# Altium PCB SL-CA025-ESP07S_V2.1.PcbDoc (part 2 of 2)
Units mm, origin at the board's own origin, x right, y up, seen from the top; angles counter-clockwise.
Board outline 103.07 x 31.12 mm, 2 copper layers (Top Layer, Bottom Layer); 79 components, 70 nets, 272 pads, 105 vias.
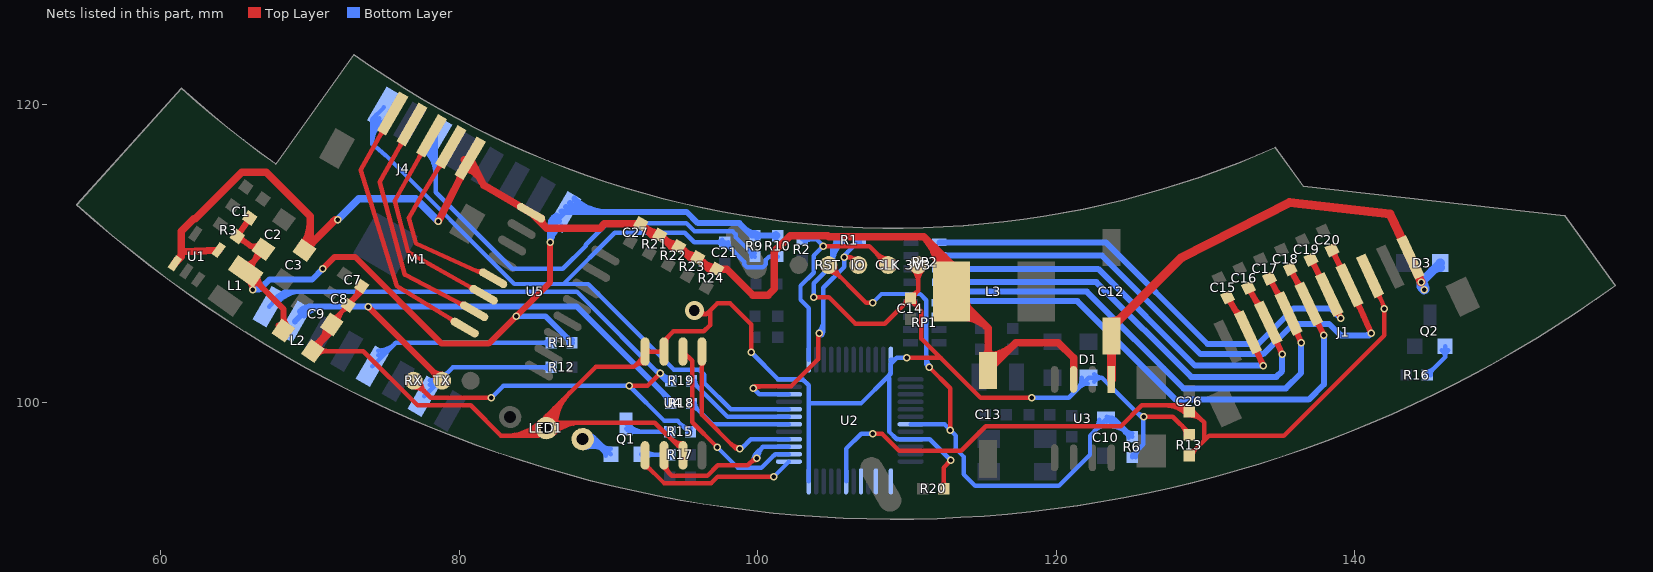
[diagram p2: the nets of this part, all layers, seen from the top]

## Via types
v1: diameter 0.5, hole 0.3, Top Layer to Bottom Layer, 103 vias
v2: diameter 1.27, hole 0.711, Top Layer to Bottom Layer, 2 vias

## Nets (pads, with @x,y where several pads share a name; then routed paths per layer and width w, separated by ;. In a path a pad name is that pad's centre, name@x,y a point inside that pad or via, vN(x,y) a via of type N, cw(c..) or ccw(c..) an arc to the next point about the centre after c; other vN are vias at no path point) (continued)
NetLED1_K2: LED1.K2 Q1.2 | length 12.1
  Bottom Layer w0.3: LED1.K2@88.195,97.843 cw(c88.456,96.968) 89.102,97.613 ; LED1.K2@88.367,97.268 cw(c88.782,95.87) Q1.2@89.814,96.901 ; LED1.K2@88.452,96.98 cw(c88.946,95.321) Q1.2@90.17,96.545 89.16,97.555 LED1.K2@88.281,97.555 cw(c88.619,96.419) 89.458,97.257 ; 89.214,97.247 cw(c88.559,96.113) 89.824,96.452 ccw(c88.989,96.229) 89.421,96.977 ccw(c89.854,97.726) 90.077,96.891 cw(c89.969,97.296) Q1.2@89.759,96.933 ; Q1.2@89.812,96.545 ccw(c88.948,96.545) 89.559,97.156 ccw(c90.17,97.767) Q1.2@90.17,96.903
NetM1_3: M1.3 R9.2 | length 34
  Bottom Layer w0.3: M1.3@77.774,116.844 cw(c76.186,115.255) 78.432,115.255 ; M1.3@77.986,117.056 cw(c76.91,115.98) 78.432,115.98 ; M1.3@78.198,117.268 cw(c77.634,116.704) M1.3@78.432,116.704 ; M1.3@78.432,117.776 78.432,114.1 83.566,108.966 86.955,108.966 88.484,110.495 88.484,110.582 89.916,112.014 95.231,112.014 95.77,111.475 98.316,111.475 98.521,111.27 98.521,111.093 R9.2@99.822,109.791 ; R9.2@99.591,109.791 ccw(c99.033,109.791) 99.428,110.186 ccw(c99.822,110.58) R9.2@99.822,110.023
NetM1_10: M1.10 R12.1 | length 12.2
  Bottom Layer w0.3: M1.10@77.66,100.439 79.583,102.362 R12.1@86.169,102.362 ; M1.10@78.035,101.189 ccw(c78.035,102.093) 78.674,101.453 ; M1.10@78.035,101.489 ccw(c78.035,103.117) 79.186,101.966 ; R12.1@86.006,102.199 ccw(c85.612,101.804) 85.612,102.362 ccw(c85.612,102.92) R12.1@86.006,102.525
NetM1_12: M1.12 R11.1 | length 15.5
  Bottom Layer w0.3: M1.12@74.196,102.439 75.77,104.013 R11.1@86.169,104.013 ; M1.12@74.571,103.189 ccw(c74.571,104.093) 75.21,103.453 ; M1.12@74.571,103.489 ccw(c74.571,105.117) 75.722,103.966 ; R11.1@86.006,103.85 ccw(c85.612,103.455) 85.612,104.013 ccw(c85.612,104.571) R11.1@86.006,104.176
NetQ1_1: Q1.1 R17.1 | length 4.1
  Bottom Layer w0.3: Q1.1@92.202,96.545 92.227,96.52 R17.1@94.107,96.52 ; Q1.1@92.455,96.292 cw(c93.006,95.741) 93.006,96.52 ; Q1.1@92.455,96.798 ccw(c93.127,97.47) 93.127,96.52 ; R17.1@93.944,96.357 ccw(c93.549,95.962) 93.549,96.52 ccw(c93.549,97.078) R17.1@93.944,96.683
NetQ1_3: Q1.3 R15.2 | length 6.5
  Bottom Layer w0.3: Q1.3@91.182,98.256 ccw(c91.693,98.766) 91.693,98.044 ; Q1.3@91.186,98.577 91.719,98.044 ; Q1.3@91.39,98.047 cw(c91.553,97.878) 91.719,98.044 ; Q1.3@91.394,98.468 ccw(c92.417,99.491) 92.417,98.044 ; Q1.3@91.48,98.272 ccw(c91.719,98.283) 91.719,98.044 ; R15.2@93.944,97.881 ccw(c93.549,97.486) 93.549,98.044 ccw(c93.549,98.602) R15.2@93.944,98.207 ; R15.2@94.107,98.044 91.719,98.044
NetQ2_1: Q2.1 R16.2 | length 4.3
  Bottom Layer w0.3: R16.2@144.844,101.854 146.05,103.06 ; R16.2@144.844,102.085 ccw(c144.844,102.643) 145.238,102.248 ccw(c145.632,101.854) R16.2@145.075,101.854 ; Q2.1@145.833,103.499 cw(c145.498,103.061) 146.05,103.061 ; Q2.1@146.05,103.784 146.05,103.06 ; Q2.1@146.267,103.499 ccw(c146.602,103.061) 146.05,103.061
NetR18_2: R18.2 U2.30 | length 8
  Bottom Layer w0.3: R18.2@95.567,99.718 cw(c95.567,99.16) 95.962,99.555 cw(c96.356,99.949) R18.2@95.799,99.949 ; R18.2@95.567,99.949 96.96,98.556 U2.30@102.097,98.556
NetR19_2: R19.2 U2.31 | length 8.4
  Bottom Layer w0.3: R19.2@95.567,101.242 cw(c95.567,100.684) 95.962,101.079 cw(c96.356,101.473) R19.2@95.799,101.473 ; R19.2@95.567,101.473 97.984,99.056 U2.31@102.097,99.056
OUT1: J4.1 U5.16 | length 18.9
  Top Layer w0.3: 74.734,117.927 ccw(c74.276,118.185) J4.1@74.782,118.326 ; 74.763,117.979 cw(c75.147,117.763) J4.1@75.028,118.187 ; J4.1@75.549,119.376 73.406,115.57 75.819,107.823 U5.16@80.378,105.03 ; 79.418,105.618 cw(c79.224,105.302) U5.16@79.585,105.388
OUT2: J4.2 U5.15 | length 17.2
  Top Layer w0.3: 76.033,117.172 ccw(c75.569,117.432) J4.2@76.081,117.576 ; 76.066,117.232 cw(c76.445,117.019) J4.2@76.328,117.437 ; J4.2@76.848,118.626 74.676,114.752 76.357,108.585 U5.15@81.013,106.13 ; 79.997,106.665 ccw(c80.185,107.022) U5.15@80.305,106.637
OUT3: J4.3 U5.14 | length 15.6
  Top Layer w0.3: 77.331,116.434 ccw(c76.882,116.689) J4.3@77.38,116.826 ; 77.355,116.475 cw(c77.746,116.254) J4.3@77.626,116.687 ; J4.3@78.147,117.876 75.692,113.538 76.581,110.109 77.469,109.604 U5.14@81.648,107.23 ; 80.7,107.768 ccw(c80.858,108.046) U5.14@80.943,107.738 ; 80.723,107.755 cw(c80.582,107.509) U5.14@80.856,107.584
OUT4: J4.4 U5.13 | length 14.2
  Top Layer w0.3: 78.593,115.691 cw(c79.052,115.418) J4.4@78.921,115.936 ; 78.63,115.754 ccw(c78.26,115.974) J4.4@78.678,116.081 ; J4.4@79.446,117.126 77.357,113.614 76.632,112.395 77.114,110.663 U5.13@82.283,108.33 ; 81.135,108.848 ccw(c81.368,109.362) U5.13@81.567,108.834
PA2_ADC2: C26.2 J1.8 R13.2 U2.19 | length 57.6
  Top Layer w0.3: v1(107.696,97.917) 108.331,97.917 109.474,96.774 113.635,96.774 115.286,98.425 124.333,98.425 125.73,99.822 128.46,99.822 C26.2@128.905,99.377 129.223,99.377 129.921,98.679 129.921,97.472 ; 127.274,99.822 cw(c127.274,97.747) C26.2@128.742,99.214 ; 127.998,99.822 cw(c127.998,98.471) C26.2@128.954,99.426 ; C26.2@128.674,99.377 ccw(c128.116,99.377) 128.511,99.772 ccw(c128.905,100.166) C26.2@128.905,99.608 ; R13.2@128.905,96.456 129.921,97.472 ; R13.2@128.905,96.687 ccw(c128.905,97.245) 129.299,96.851 ccw(c129.694,96.456) R13.2@129.136,96.456 ; C26.2@128.905,99.146 cw(c128.905,97.822) 129.841,98.759 ; C26.2@128.905,99.446 cw(c128.905,98.847) 129.329,99.271 ; J1.8@141.01,108.497 141.478,107.483 v1@142.018,106.314 ; J1.8@141.427,107.267 cw(c141.265,106.827) 141.69,107.024 ; J1.8@141.684,107.385 ccw(c142.15,107.214) 141.699,107.005 ; 141.881,106.61 cw(c141.553,106.459) v1@141.892,106.334 ; v1(141.986,106.299) 141.986,104.521 135.255,97.79 130.238,97.79 129.921,97.472
  Bottom Layer w0.3: U2.19@105.922,94.731 105.922,96.905 106.934,97.917 v1(107.696,97.917)
PA9_TX: M1.15 R18.1 TX.1 | length 40.1
  Top Layer w0.4: v1(73.914,106.426) TX.1@78.867,101.473 ; TX.1@78.467,101.473 ccw(c77.501,101.473) 78.184,102.156 ccw(c78.867,102.839) TX.1@78.867,101.873
  Bottom Layer w0.4: M1.15@69,105.439 70.002,106.441 87.875,106.441 94.17,100.145 R18.1@94.17,99.949 ; M1.15@69.339,106.124 cw(c70.105,105.359) 70.105,106.441 ; M1.15@69.622,105.841 cw(c71.07,104.393) 71.07,106.441 ; 93.723,100.593 cw(c93.079,99.949) R18.1@93.989,99.949
PA10_RX: M1.16 R15.1 R19.1 RX.1 | length 60.7
  Top Layer w0.3: RX.1@76.962,101.023 cw(c76.962,99.937) 77.73,100.705 cw(c78.498,101.473) RX.1@77.412,101.473 ; RX.1@76.962,101.473 78.105,100.33 v1(82.169,100.33) ; v1(91.401,101.131) 92.622,101.131 v1(93.472,101.981)
  Bottom Layer w0.3: M1.16@67.273,106.436 68.279,107.442 87.884,107.442 93.853,101.473 R19.1@94.17,101.473 ; M1.16@67.719,107.015 cw(c68.75,105.984) 68.75,107.442 ; M1.16@67.931,106.803 cw(c69.474,105.26) 69.474,107.442 ; v1(82.169,100.33) 82.97,101.131 v1(91.401,101.131) 93.757,98.775 94.633,98.775 95.364,98.044 R15.1@95.504,98.044 ; 93.084,102.242 ccw(c93.472,102.629) v1@93.472,102.081 ; 93.234,102.092 ccw(c94.17,103.028) R19.1@94.17,101.704 ; v1@93.569,102.007 ccw(c93.877,102.09) 93.718,101.813 ; v1@93.572,101.981 ccw(c94.12,101.981) 93.733,101.593 ; 93.746,101.58 ccw(c94.17,102.004) R19.1@94.17,101.404 ; 94.871,98.537 ccw(c95.504,99.171) R15.1@95.504,98.275
PA13_SWDIO: IO.1 R1.1 U2.34 | length 22.3
  Top Layer w0.3: v1(99.695,100.965) 99.822,101.092 102.235,101.092 104.048,102.905 104.048,104.556 v1(104.14,104.648) ; v1@99.766,100.894 cw(c100.243,100.417) 100.243,101.092 ; 104.048,104.184 cw(c104.604,104.184) v1@104.211,104.577 ; v1(105.791,109.728) 106.236,109.728 ; IO.1@106.319,109.367 ccw(c105.99,109.482) 106.236,109.728 ; IO.1@106.597,109.645 cw(c106.482,109.974) 106.236,109.728 ; IO.1@106.744,109.22 106.236,109.728
  Bottom Layer w0.3: v1(99.695,100.965) 100.104,100.556 U2.34@102.097,100.556 ; v1@104.069,104.719 ccw(c103.285,105.503) 104.394,105.503 ; v1(104.14,104.648) 104.394,104.902 104.394,107.696 105.791,109.093 v1(105.791,109.728) 105.791,109.855 106.807,110.871 R1.1@106.87,110.871 ; v1@104.281,104.507 ccw(c104.01,104.778) 104.394,104.778 ; v1@105.891,109.728 cw(c106.439,109.728) 106.052,110.116 ; 106.368,110.432 cw(c106.87,109.929) R1.1@106.87,110.64 ; R1.1@106.521,110.585 ccw(c106.235,110.871) R1.1@106.639,110.871
PA14_SWCLK: CLK.1 R2.2 U2.37 | length 17.5
  Top Layer w0.3: v1(104.394,110.49) 107.474,110.49 CLK.1@108.744,109.22 ; CLK.1@108.294,109.22 ccw(c107.208,109.22) 107.976,109.988 ccw(c108.744,110.756) CLK.1@108.744,109.67
  Bottom Layer w0.3: R2.2@102.997,110.934 103.95,110.934 v1(104.394,110.49) 103.759,109.855 103.759,108.712 102.87,107.823 102.87,106.894 103.422,106.342 U2.37@103.422,102.881 ; R2.2@103.16,110.771 cw(c103.555,110.377) 103.555,110.934 cw(c103.555,111.492) R2.2@103.16,111.098
PWM1: C15.2 J1.2 RP2.3 | length 31.1
  Top Layer w0.4: C15.2@131.439,106.888 cw(c131.326,106.466) 131.705,106.685 cw(c132.083,106.903) C15.2@131.661,107.016 ; C15.2@131.486,107.063 J1.2@132.843,104.716 v1(133.858,102.489) ; 131.967,106.232 ccw(c132.578,106.585) J1.2@132.395,105.903 ; J1.2@133.469,103.621 ccw(c133.84,103.483) 133.48,103.319
  Bottom Layer w0.4: RP2.3@112.166,108.966 122.809,108.966 129.286,102.489 v1(133.858,102.489)
PWM2: C16.2 J1.3 RP2.4 | length 33.4
  Top Layer w0.4: C16.2@132.834,107.524 cw(c132.716,107.103) 133.097,107.317 cw(c133.478,107.531) C16.2@133.057,107.649 ; C16.2@132.883,107.698 J1.3@134.202,105.35 v1(135.128,103.251) ; 133.361,106.848 ccw(c133.934,107.17) J1.3@133.756,106.536 ; J1.3@134.828,104.253 ccw(c135.242,104.093) 134.836,103.914
  Bottom Layer w0.4: RP2.4@112.166,108.077 122.682,108.077 129.032,101.727 134.747,101.727 135.128,102.108 v1(135.128,103.251)
PWM3: C17.2 J1.4 RP1.1 | length 36.1
  Top Layer w0.4: C17.2@134.229,108.159 cw(c134.106,107.74) 134.489,107.949 cw(c134.873,108.159) C17.2@134.454,108.282 ; C17.2@134.28,108.333 J1.4@135.561,105.984 v1(136.398,104.013) ; 134.755,107.463 ccw(c135.29,107.754) J1.4@135.118,107.17 ; J1.4@136.187,104.885 ccw(c136.649,104.698) 136.19,104.503
  Bottom Layer w0.4: RP1.1@112.141,106.68 113.122,106.68 113.884,107.442 122.047,107.442 128.524,100.965 135.382,100.965 136.398,101.981 v1(136.398,104.013)
PWM4: C18.2 J1.5 RP1.2 | length 39.1
  Top Layer w0.4: C18.2@135.624,108.795 cw(c135.495,108.377) 135.882,108.582 cw(c136.268,108.786) C18.2@135.85,108.915 ; C18.2@135.677,108.968 J1.5@136.921,106.618 136.921,106.538 v1(137.922,104.521) ; 136.149,108.076 ccw(c136.644,108.338) J1.5@136.479,107.803 ; J1.5@137.549,105.528 ccw(c137.916,105.404) 137.569,105.232
  Bottom Layer w0.4: RP1.2@112.141,105.791 113.082,105.791 114.098,106.807 121.412,106.807 128.016,100.203 136.906,100.203 137.922,101.219 v1(137.922,104.521)
PWM5: C19.2 J1.6 RP2.1 | length 36.8
  Top Layer w0.4: C19.2@137.019,109.431 cw(c136.885,109.015) 137.274,109.214 cw(c137.662,109.414) C19.2@137.246,109.547 ; C19.2@137.074,109.603 J1.6@138.28,107.252 v1(139.067,105.664) ; 137.543,108.689 ccw(c137.997,108.922) J1.6@137.84,108.437 ; J1.6@138.718,106.067 cw(c138.573,105.635) v1@138.981,105.838
  Bottom Layer w0.4: RP2.1@112.166,110.744 123.317,110.744 130.132,103.929 133.52,103.929 135.892,106.301 138.43,106.301 v1(139.067,105.664)
PWM6: C20.2 J1.7 RP2.2 | length 43.5
  Top Layer w0.4: C20.2@138.413,110.066 cw(c138.274,109.652) 138.666,109.847 cw(c139.057,110.041) C20.2@138.643,110.18 ; C20.2@138.471,110.238 J1.7@139.65,107.863 ; 138.948,109.278 ccw(c139.358,109.482) J1.7@139.212,109.047 ; 140.286,106.45 cw(c140.665,106.62) 140.277,106.767 ccw(c140.656,106.625) 140.287,106.458 ; 140.589,105.791 J1.7@139.65,107.863 ; v1(141.097,104.648) J1.7@139.65,107.863
  Bottom Layer w0.4: RP2.2@112.166,109.855 123.063,109.855 129.667,103.251 133.858,103.251 135.89,105.283 138.273,105.283 139.05,104.506 140.955,104.506 v1(141.097,104.648) ; 140.633,104.506 ccw(c140.633,105.112) v1@141.062,104.683
RESET: U2.13
RST: C10.1 R6.1 RST.1 U2.7 | length 48.5
  Top Layer w0.3: RST.1@104.744,108.77 cw(c104.744,107.684) 105.512,108.452 cw(c106.28,109.22) RST.1@105.194,109.22 ; RST.1@104.744,109.22 107.284,106.68 v1(107.696,106.68) ; v1(111.506,102.362) 112.905,100.963 v1(112.905,98.169)
  Bottom Layer w0.3: v1(107.696,106.68) 108.296,107.28 110.881,107.28 111.291,106.87 111.291,102.577 v1(111.506,102.362) ; U2.7@110.247,98.556 112.518,98.556 v1(112.905,98.169) 113.284,97.79 113.284,96.901 113.792,96.393 113.792,95.211 114.582,94.421 120.165,94.421 122.262,96.518 122.262,97.792 C10.1@123.323,98.853 123.968,98.853 ; 111.291,103.122 ccw(c112.266,103.122) v1@111.577,102.433 ; 122.555,98.085 ccw(c121.787,98.853) C10.1@122.873,98.853 ; 122.676,98.206 cw(c123.273,97.608) C10.1@123.273,98.453 ; C10.1@123.373,98.453 cw(c123.373,96.05) R6.1@125.072,97.749 ; C10.1@123.373,98.753 cw(c123.373,97.075) 124.56,98.262 ; C10.1@123.373,99.053 cw(c123.373,98.099) 124.048,98.774 ; C10.1@123.744,98.702 cw(c123.968,98.61) 123.968,98.853 ; C10.1@123.744,99.004 ccw(c123.968,99.096) 123.968,98.853 ; 124.599,98.023 cw(c124.306,97.515) R6.1@124.872,97.667 ; 124.634,98.002 ccw(c124.898,98.461) R6.1@125.035,97.95 ; R6.1@124.864,97.727 ccw(c124.306,97.727) 124.701,98.121 ccw(c125.095,98.515) R6.1@125.095,97.958 ; R6.1@125.095,97.727 123.968,98.853
SCLK: U2.15
SDIN: U2.17
SPI2_CS: U2.25 U4.1 | length 11.8
  Top Layer w0.3: U4.1@92.456,95.674 cw(c92.456,95.165) 92.816,95.525 ; U4.1@92.456,96.474 92.456,95.885 93.726,94.615 96.901,94.615 97.337,95.051 v1(101.092,95.051)
  Bottom Layer w0.3: v1(101.092,95.051) U2.25@102.097,96.056
SPI2_MISO: U2.27 U4.2 | length 12.8
  Top Layer w0.3: U4.2@93.726,96.474 93.726,95.631 94.242,95.115 96.639,95.115 97.325,95.801 99.343,95.801 99.808,96.266 v1(99.949,96.266) ; U4.2@93.876,95.824 ccw(c94.704,95.824) 94.119,95.238 ; 99.537,95.995 cw(c99.949,95.583) v1@99.949,96.166
  Bottom Layer w0.3: v1@99.749,96.259 cw(c100.166,96.274) 99.871,96.569 ; v1(99.949,96.266) 99.949,96.647 100.358,97.056 ; v1@100.049,96.27 cw(c101.106,96.308) 100.358,97.056 ; U2.27@102.097,97.056 100.358,97.056
SPI2_MOSI: U2.28 U4.5 | length 12.9
  Top Layer w0.3: U4.5@96.16,102.668 cw(c95.904,102.412) 96.266,102.412 cw(c96.628,102.412) U4.5@96.372,102.668 ; U4.5@96.266,103.424 96.266,99.187 98.552,96.901 v1(98.806,96.901) ; 98.202,97.251 ccw(c98.806,97.856) v1@98.806,97.001
  Bottom Layer w0.3: v1(98.806,96.901) 98.893,96.901 99.548,97.556 U2.28@102.097,97.556 ; v1@98.806,97.001 ccw(c98.806,97.451) 99.124,97.133
SPI2_SCK: U2.26 U4.6 | length 13.5
  Top Layer w0.3: U4.6@94.996,103.424 95.616,102.804 95.616,98.693 v1(97.282,97.027)
  Bottom Layer w0.3: v1(97.282,97.027) 98.678,95.631 100.24,95.631 101.165,96.556 U2.26@102.097,96.556 ; 101.018,96.41 cw(c101.372,96.056) U2.26@101.372,96.556
V_3V3: 3V3.1 C7.1 C8.1 C9.1 C14.1 D1.1 L2.2 LED1.A R1.2 R6.2 R13.1 R20.1 U2.9 U2.24 U2.36 U2.48 U4.3 U4.7 U4.8 | length 183.6
  Top Layer w0.3: L2.2@70.123,103.879 ccw(c69.815,105.03) 70.847,104.434 ; L2.2@70.227,103.893 ccw(c70.227,104.888) 70.93,104.184 ; L2.2@70.245,103.405 L2.2@70.198,103.452 ; L2.2@70.391,103.644 ccw(c68.835,105.2) C9.1@71.035,105.2 ; L2.2@70.51,103.21 cw(c71.093,102.626) 71.093,103.452 ; L2.2@70.51,103.776 ccw(c71.291,104.557) 71.291,103.452 ; L2.2@70.613,103.596 cw(c71.328,103.788) 70.687,104.158 ; L2.2@70.627,103.493 cw(c71.563,103.493) 70.901,104.155 ; 70.903,104.156 ccw(c69.86,105.2) C9.1@71.335,105.2 ; C9.1@71.492,105.681 ccw(c71.492,106.254) 71.897,105.849 ; C9.1@71.892,105.281 cw(c73.251,105.281) 72.29,106.242 ; C8.1@72.35,106.533 cw(c71.792,106.533) 72.187,106.139 cw(c72.581,105.745) C8.1@72.581,106.302 ; C8.1@72.521,106.756 ccw(c72.304,107.567) 73.031,107.147 ; C8.1@72.581,106.764 ccw(c72.581,107.322) 72.976,106.928 ccw(c73.37,106.533) C8.1@72.812,106.533 ; C8.1@72.806,106.759 ccw(c71.762,107.803) C7.1@73.239,107.803 ; 73.319,107.271 ccw(c72.786,107.803) C7.1@73.539,107.803 ; C7.1@73.47,107.803 73.47,107.422 C8.1@72.581,106.533 71.463,105.416 C9.1@71.463,105.24 71.463,104.717 L2.2@70.198,103.452 ; 83.177,97.79 ccw(c83.177,100.973) LED1.A@85.428,98.722 ; 83.901,97.79 ccw(c83.901,100.249) LED1.A@85.64,98.51 ; 84.626,97.79 ccw(c84.626,99.524) LED1.A@85.852,98.298 ; LED1.A@85.552,98.298 cw(c86.766,98.298) 85.908,99.157 ; LED1.A@85.682,98.873 ccw(c85.615,99.101) 85.852,99.101 ; LED1.A@86.022,98.873 cw(c86.089,99.101) 85.852,99.101 ; LED1.A@86.064,98.086 cw(c87.439,96.711) 87.439,98.655 ; LED1.A@86.152,98.298 cw(c88.815,98.298) 86.932,100.181 ; LED1.A@86.276,97.874 cw(c88.163,95.987) 88.163,98.655 ; 86.42,99.669 ccw(c87.791,98.298) LED1.A@85.852,98.298 ; LED1.A@86.452,98.298 cw(c89.839,98.298) 87.444,100.693 ; 86.715,98.655 ccw(c86.715,97.435) LED1.A@85.852,98.298 ; 92.091,102.8 cw(c92.403,102.488) U4.8@92.483,102.921 ; U4.8@92.429,102.627 ccw(c92.277,101.809) 91.689,102.397 ; U4.8@92.456,103.424 U4.8@92.716,103.424 ; U4.8@92.494,103.203 cw(c92.529,103.168) U4.8@92.538,103.216 ; U4.8@92.562,103.318 cw(c92.818,103.062) 92.818,103.424 cw(c92.818,103.786) U4.8@92.562,103.53 ; U4.7@93.62,103.318 ccw(c93.364,103.062) 93.364,103.424 ccw(c93.364,103.786) U4.7@93.62,103.53 ; U4.7@93.876,104.074 cw(c94.397,104.074) 94.029,104.443 ; 94.141,97.628 ccw(c94.996,98.483) U4.3@94.996,97.274 ; 94.653,97.116 ccw(c94.996,97.459) U4.3@94.996,96.974 ; U4.3@94.996,96.474 94.996,96.773 93.114,98.655 86.209,98.655 LED1.A@85.852,98.298 ; v2(95.758,106.172) 95.758,105.918 96.56,105.918 ; v2@96.241,106.212 ccw(c96.56,106.238) 96.56,105.918 ; v1(99.568,103.378) 99.568,105.243 98.166,106.645 97.287,106.645 96.817,106.175 ; v1(103.759,107.061) 104.775,107.061 106.553,105.283 108.521,105.283 C14.1@110.236,106.998 ; v1(109.982,102.997) v1(109.982,102.997) 112.268,102.997 ; C14.1@110.005,106.998 cw(c109.447,106.998) 109.842,106.603 cw(c110.236,106.209) C14.1@110.236,106.767 ; C14.1@110.236,107.229 ccw(c110.236,107.786) 110.63,107.392 ccw(c111.025,106.998) 110.467,106.998 ccw(c111.363,106.998) 110.729,106.364 ; 3V3.1@110.426,108.902 cw(c109.658,108.134) 110.744,108.134 cw(c111.83,108.134) 3V3.1@111.062,108.902 ; 3V3.1@110.744,109.22 110.744,107.506 C14.1@110.236,106.998 ; R20.1@112.295,94.397 ccw(c111.901,94.792) 112.459,94.792 ccw(c113.016,94.792) R20.1@112.622,94.397 ; R20.1@112.459,94.234 112.459,95.654 v1(112.944,96.139) ; v1(118.364,100.33) 114.93,100.33 114.493,100.767 114.493,100.772 112.268,102.997 ; v1(125.857,99.06) 127.813,99.06 128.905,97.968 R13.1@128.905,97.853 ; 128.429,98.444 cw(c127.839,97.853) R13.1@128.674,97.853 ; L2.2@70.198,103.452 73.586,103.452 77.216,99.822 80.772,99.822 82.804,97.79 85.344,97.79 LED1.A@85.852,98.298 ; LED1.A@85.852,98.298 85.852,99.101 ; 85.852,99.101 89.148,102.397 91.689,102.397 ; 91.689,102.397 U4.8@92.716,103.424 ; U4.8@92.716,103.424 U4.7@93.726,103.424 93.726,104.14 94.361,104.775 96.393,104.775 96.817,105.199 96.817,106.175 ; 96.56,105.918 96.817,106.175 ; C14.1@110.236,106.998 110.236,106.857 110.967,106.126 110.967,104.298 112.268,102.997
  Bottom Layer w0.3: v1(99.568,103.378) 101.39,101.556 U2.36@102.097,101.556 103.029,101.556 103.413,101.172 103.413,99.949 ; U2.36@102.822,101.556 cw(c102.822,101.056) 103.176,101.41 ; U2.24@103.422,94.731 103.413,94.74 103.413,99.949 ; v1(103.759,107.061) 103.759,108.005 104.994,109.24 104.994,110.391 R1.2@105.474,110.871 ; 104.994,109.171 cw(c107.152,109.171) R1.2@105.636,110.707 ; 104.994,109.889 cw(c106.443,109.889) R1.2@105.425,110.92 ; R1.2@105.242,110.871 cw(c104.685,110.871) 105.079,110.477 cw(c105.474,110.082) R1.2@105.474,110.64 ; 108.776,101.802 ccw(c108.422,102.156) U2.48@108.922,102.156 ; 109.168,97.702 ccw(c109.522,98.056) U2.9@109.522,97.556 ; v1(109.982,102.997) 109.303,102.997 ; v1(112.944,96.139) 111.527,97.556 U2.9@110.247,97.556 109.315,97.556 108.804,98.067 108.804,101.647 108.712,101.739 ; v1(118.364,100.33) 120.834,100.33 D1.1@122.174,101.67 123.063,101.67 ; 121.406,100.902 ccw(c120.638,101.67) D1.1@121.724,101.67 ; 121.527,101.023 cw(c122.124,100.425) D1.1@122.124,101.27 ; D1.1@122.535,101.418 cw(c123.063,100.99) 123.063,101.67 ; D1.1@122.535,101.922 ccw(c123.063,102.35) 123.063,101.67 ; R6.2@125.095,96.329 125.095,96.47 125.826,97.201 125.826,98.907 123.063,101.67 ; R6.2@125.326,96.329 cw(c126.222,96.329) 125.588,96.963 ; 125.372,99.361 ccw(c125.857,99.846) v1@125.857,99.16 ; 125.826,98.744 cw(c126.173,98.744) v1@125.928,98.989 ; 103.413,99.949 106.922,99.949 108.712,101.739 ; 108.712,101.739 108.922,101.949 108.922,102.616 109.187,102.881 ; 109.187,102.881 109.303,102.997 ; 109.187,102.881 U2.48@108.922,102.881 ccw(c109.004,103.296) 109.303,102.997
VCC_3V3: C1.1 C2.1 L1.2 L2.1 M1.8 R3.2 R9.1 R10.1 R11.2 | length 83.9
  Top Layer w0.4: R3.2@65.115,111.311 ccw(c65.029,111.74) 65.393,111.498 ccw(c65.757,111.256) R3.2@65.329,111.169 ; R3.2@65.18,110.955 cw(c65.249,110.524) 65.505,110.877 cw(c65.761,111.231) R3.2@65.33,111.162 ; L1.2@65.668,109.204 ccw(c65.562,110.163) 66.316,109.56 ccw(c67.07,108.957) L1.2@66.11,108.85 ; C1.1@65.8,112.34 cw(c65.371,112.254) 65.735,112.012 cw(c66.099,111.769) C1.1@66.013,112.198 ; L1.2@65.838,108.23 cw(c65.331,107.565) v1@66.167,107.565 ; C1.1@65.977,112.375 R3.2@65.151,111.134 66.04,110.49 C2.1@66.886,110.274 L1.2@65.712,108.806 L1.2@66.167,108.351 ; L1.2@66.081,108.148 cw(c66.081,107.449) 66.575,107.943 ; v1(66.167,107.569) L1.2@66.167,108.351 ; L1.2@66.167,107.79 cw(c66.839,107.79) L1.2@66.364,108.265 ; L1.2@66.179,107.834 ccw(c66.484,107.752) v1@66.21,107.594 ; 66.281,109.517 ccw(c65.489,110.152) C2.1@66.498,110.264 ; 66.432,109.705 cw(c66.959,109.284) C2.1@66.884,109.954 ; L1.2@66.481,108.548 ccw(c67.713,108.548) 66.842,107.676 ; C2.1@66.543,110.126 ccw(c65.882,109.74) 66.071,110.482 ccw(c66.243,111.153) C2.1@66.643,110.588 ; L2.1@67.904,105.156 L2.1@68.232,104.828 68.232,106.286 L1.2@66.167,108.351 ; L2.1@68.013,105.117 ccw(c67.485,105.645) 68.232,105.645 ; 68.232,105.783 ccw(c69.175,105.783) L2.1@68.508,105.117 ; v1(70.866,108.966) 71.665,109.765 73.025,109.765 78.835,103.955 81.984,103.955 v1(83.82,105.791) 86.106,108.077 v1(86.106,110.744)
  Bottom Layer w0.4: v1(66.167,107.569) 66.613,107.569 67.29,108.246 70.146,108.246 v1(70.866,108.966) ; v1@66.167,107.619 ccw(c66.167,108.816) 67.014,107.97 ; v1(83.82,105.791) 85.789,105.791 R11.2@87.567,104.013 ; v1@86.106,110.615 cw(c87.425,110.615) M1.8@86.865,111.809 ; v1(86.106,110.744) 86.106,111.79 M1.8@87.092,112.776 95.246,112.776 95.997,112.025 98.773,112.025 99.61,111.189 R9.1@99.822,111.189 R10.1@101.346,111.188 ; 86.106,111.244 cw(c87.13,111.244) M1.8@86.696,112.172 ; M1.8@86.106,111.873 cw(c86.836,111.873) M1.8@86.526,112.534 ; M1.8@86.866,112.824 ccw(c86.983,112.941) M1.8@86.983,112.776 ; M1.8@87.149,113.107 ccw(c87.949,113.907) 87.949,112.776 ; R11.2@87.386,104.013 ccw(c86.949,104.013) 87.258,104.322 ccw(c87.567,104.631) R11.2@87.567,104.194 ; M1.8@87.432,113.39 ccw(c88.914,114.873) 88.914,112.776 ; M1.8@87.714,113.673 ccw(c89.88,115.838) 89.88,112.776 ; 99.151,111.648 ccw(c99.822,112.319) R9.1@99.822,111.37 ; R9.1@99.95,111.061 cw(c100.259,110.752) 100.259,111.189 cw(c100.259,111.625) R9.1@99.95,111.316 ; R10.1@101.218,111.061 ccw(c100.909,110.752) 100.909,111.189 ccw(c100.909,111.625) R10.1@101.218,111.316
VCC_5V: C3.1 C13.1 C27.2 J4.5 L3.2 R21.2 R22.2 R23.2 R24.2 U1.1 U1.4 U3.3 U5.9 | length 120.8
  Top Layer w0.5: U1.1@60.96,109.347 61.395,109.782 61.395,110 ; U1.1@61.103,109.552 ccw(c60.906,109.999) 61.395,109.999 ; U1.4@63.893,110.223 61.468,110.109 61.395,110 ; C3.1@69.385,110.439 ccw(c67.855,111.97) 70.02,111.97 ; C3.1@69.679,110.47 ccw(c69.679,111.026) 70.073,110.633 ; C3.1@69.739,110.086 ccw(c69.062,110.763) 70.02,110.763 ; C3.1@69.803,110.363 C3.1@70.02,110.579 ; C3.1@69.979,110.17 cw(c70.872,110.17) 70.241,110.801 ; 71.585,112.145 cw(c71.882,111.848) v1(71.882,112.268) 71.708,112.268 C3.1@70.02,110.579 ; v1(78.613,112.141) J4.5@80.746,116.376 81.661,114.554 U5.9@84.823,112.729 85.857,111.695 89.444,111.695 89.733,111.984 C27.2@92.17,111.984 92.932,111.222 R21.2@93.44,111.222 94.202,110.46 R22.2@94.71,110.46 95.472,109.698 R23.2@95.98,109.698 96.742,108.936 R24.2@97.25,108.936 97.947,108.936 99.671,107.212 100.711,107.212 101.116,107.616 101.116,110.133 102.173,111.19 104.684,111.19 104.749,111.125 111.125,111.125 ; 80.049,114.993 ccw(c79.634,115.203) J4.5@80.076,115.348 ; J4.5@80.241,115.774 cw(c79.923,114) 81.533,114.809 ; J4.5@80.33,116.266 cw(c80.144,115.23) 81.084,115.702 ; U5.9@85.519,112.341 ccw(c86.264,112.341) 85.737,111.815 ; C27.2@92.349,111.805 ccw(c93.44,112.896) R21.2@93.44,111.353 ; R21.2@93.567,111.256 ccw(c94.089,111.396) 93.818,110.928 ; R21.2@93.619,111.043 ccw(c94.71,112.134) R22.2@94.71,110.591 ; R22.2@94.837,110.494 ccw(c95.359,110.634) 95.088,110.166 ; R22.2@94.889,110.281 ccw(c95.98,111.372) R23.2@95.98,109.829 ; R23.2@96.107,109.732 ccw(c96.629,109.872) 96.358,109.404 ; R23.2@96.159,109.519 ccw(c97.25,110.61) R24.2@97.25,109.067 ; 111.807,110.443 cw(c110.062,108.698) L3.2@112.494,108.277 ; L3.2@112.001,108.362 ccw(c108.899,108.899) 111.125,111.125 ; 112.489,109.761 cw(c111.225,108.497) L3.2@112.986,108.192 ; L3.2@113.073,106.2 cw(c113.404,104.307) 114.763,105.666 ; L3.2@113.159,105.707 cw(c113.607,103.15) 115.443,104.986 ; L3.2@113.987,106.692 ccw(c114.59,106.692) L3.2@114.163,106.265 ; C13.1@115.196,103.059 ccw(c114.598,103.657) 115.443,103.657 ccw(c116.288,103.657) C13.1@115.69,103.059 ; C13.1@115.443,102.662 ccw(c115.443,103.869) 116.297,103.016 ; C13.1@115.443,103.162 ccw(c115.443,105.576) 117.15,103.869 ; U3.3@121.158,101.558 121.158,102.997 120.142,104.013 117.294,104.013 C13.1@115.443,102.162 115.443,104.985 ; 61.395,110 61.395,111.479 62.232,112.316 62.331,112.316 65.442,115.427 67.072,115.427 70.02,112.479 C3.1@70.02,110.579 ; 111.125,111.125 112.986,109.264 L3.2@112.986,107.442 115.443,104.985
  Bottom Layer w0.5: v1(71.882,112.268) 73.279,113.665 77.089,113.665 v1(78.613,112.141)
VCC_24V: C12.1 D3.2 J1.10 U3.1 | length 36.6
  Top Layer w0.6: C12.1@123.486,103.605 cw(c122.974,103.093) 123.698,103.093 cw(c124.422,103.093) C12.1@123.91,103.605 ; U3.1@123.698,101.558 C12.1@123.698,104.467 123.698,105.016 128.41,109.728 135.636,113.411 142.367,112.649 J1.10@143.739,109.742 144.233,108.568 v1(144.439,108.077) ; C12.1@123.698,105.417 ccw(c123.698,106.385) 124.383,105.701
  Bottom Layer w0.6: 144.439,107.783 v1(144.439,108.077) ; v1@144.439,107.964 ccw(c145.048,107.964) v1@144.618,107.534 ; v1@144.475,108.112 cw(c144.044,107.682) v1@144.653,107.682 ; v1@144.53,107.986 cw(c144.113,107.569) v1@144.703,107.569 ; v1(144.653,107.569) 144.653,107.863 v1(144.439,108.077) ; D3.2@145.185,108.823 cw(c145.726,108.283) D3.2@145.726,109.047 ; D3.2@145.726,109.347 145.709,109.347 v1(144.439,108.077)
WIFI_RST_N: C21.1 M1.1 R10.2 U2.32 | length 62
  Bottom Layer w0.3: 74.168,117.298 cw(c76.207,117.298) M1.1@74.857,118.827 ; 74.168,117.963 cw(c75.62,117.963) M1.1@74.659,119.051 ; 74.168,118.628 cw(c75.032,118.628) M1.1@74.46,119.276 ; M1.1@74.968,119.776 74.168,118.976 74.168,117.348 75.07,116.586 83.706,107.95 86.995,107.95 ; C21.1@97.627,110.581 ccw(c97.232,110.186) 97.232,110.744 ccw(c97.232,111.302) C21.1@97.627,110.907 ; C21.1@97.79,110.513 cw(c97.79,109.955) 98.184,110.35 cw(c98.579,110.744) C21.1@98.021,110.744 ; R10.2@101.183,109.628 ccw(c100.788,109.234) 100.788,109.791 ccw(c100.788,110.349) R10.2@101.183,109.955 ; R10.2@101.346,109.791 100.774,109.791 100.553,109.57 100.553,109.266 100.348,109.061 99.296,109.061 99.091,109.266 99.091,109.443 C21.1@97.79,110.744 95.758,110.744 95.123,111.379 90.424,111.379 86.995,107.95 ; U2.32@102.097,99.556 98.192,99.556 96.433,101.315 96.433,101.865 96.093,102.204 94.392,102.204 88.646,107.95 86.995,107.95
pads on no net: J1.0 J4.0 M1.2 M1.4 M1.5 M1.6 M1.7 M1.11 M1.13 M1.14 RP1.3 RP1.4 RP1.5 RP1.6 U2.33 U5.5 U5.6 U5.7

## Polygon pours and split planes (outlines as drawn)
GND on Top Layer "Top Layer-No Net" (solid, remove dead copper, pour order 4): 61.384,121.031 62.738,119.888 64.135,118.745 66.04,117.221 67.691,115.951 72.898,123.227 75.565,121.539 79.248,119.38 80.899,118.491 84.074,116.967 88.9,115.062 92.583,113.919 98.171,112.649 103.505,111.887 109.601,111.633 116.332,112.014 120.523,112.649 127.635,114.427 133.477,116.586 134.67,117.094 136.525,114.541 154.051,112.53 157.383,107.95 153.924,105.41 147.193,101.473 143.256,99.568 136.652,96.901 131.445,95.25 124.333,93.599 119.507,92.837 110.49,92.202 105.41,92.329 101.092,92.583 96.774,93.091 92.075,93.98 84.328,96.012 79.375,97.79 73.152,100.584 68.199,103.251 63.373,106.172 58.801,109.474 54.409,113.284
GND on Bottom Layer "Top Layer-No Net" (solid, remove dead copper, pour order 3): 61.442,120.962 62.796,119.819 64.193,118.676 66.098,117.152 67.749,115.882 72.956,123.158 75.623,121.47 79.306,119.311 80.957,118.422 84.132,116.898 88.958,114.993 92.641,113.85 98.229,112.58 103.563,111.818 109.659,111.564 116.39,111.945 120.581,112.58 127.693,114.358 133.535,116.517 134.728,117.025 136.583,114.472 154.109,112.461 157.44,107.881 153.982,105.341 147.251,101.404 143.314,99.499 136.71,96.832 131.503,95.181 124.391,93.53 119.565,92.768 110.548,92.133 105.468,92.26 101.15,92.514 96.832,93.022 92.133,93.911 84.386,95.943 79.433,97.721 73.21,100.515 68.257,103.182 63.431,106.103 58.859,109.405 54.466,113.215

## Keep-outs
Keep-Out Layer:
  circle w0.127: c153.253,109.495 r1.6
  circle w0.127: c59.453,114.095 r1.6
  lines w0.127: 134.669,117.096 136.559,114.495 154.055,112.529 157.451,107.855 cw(c109.253,174.195) 54.384,113.257 61.41,121.06 ccw(c109.253,174.195) 67.733,115.985 72.959,123.312 ccw(c109.253,174.195) 134.669,117.096

## Silkscreen, mask and mechanical layers (free items; w line width, h text height)
Top Overlay:
  lines w0.254: 81.915,115.697 81.661,116.205 ; 82.296,116.586 81.661,116.205 ; 82.55,115.951 81.661,116.205 ; 128.016,111.506 128.778,110.744 ; 128.397,110.744 128.778,110.744 ; 128.778,111.125 128.778,110.744 ; 129.667,112.395 130.556,111.506 ; 130.048,111.506 130.556,111.506 ; 130.556,112.014 130.556,111.506 ; 131.064,113.03 131.064,112.994 131.928,112.13 ; 131.456,112.13 131.928,112.13 ; 131.928,112.624 131.928,112.13 ; 132.588,113.665 133.361,112.892 ; 132.726,112.892 133.361,112.892 ; 133.361,113.273 133.361,112.892 ; 133.858,114.3 134.758,113.4 ; 134.424,113.4 134.758,113.4 ; 134.758,113.803 134.758,113.4 ; 135.255,114.935 136.063,114.127 ; 135.555,114.127 136.063,114.127 ; 136.017,114.554 136.017,114.173 136.063,114.127 ; 81.915,114.808 82.296,114.173 89.154,111.379 90.424,113.665 83.402,116.656 81.915,114.808
  text "F E D C B A" at 134.874,115.951 h0.8 r205
  text "M_A" at 83.058,114.173 h0.8 r60
  text "M_B" at 84.455,113.538 h0.8 r60
  text "24V" at 141.732,113.03 h0.8 r295
  text "M_C" at 85.852,112.903 h0.8 r60
  text "FAN" at 140.208,112.522 h0.8 r295
  text "M_D" at 87.249,112.395 h0.8 r60
  text "SL-CA025-PL_V2.1" at 69.723,111.887 h1.52 r330
  text "V_5" at 88.392,111.887 h0.8 r60
  text "T" at 139.446,110.998 h0.8 r295
  text "GND" at 129.286,107.696 h0.8 r295
  text "KA" at 92.583,104.648 h0.8
  text "KB" at 95.25,104.648 h0.8
Bottom Overlay:
  lines w0.254: 92.583,113.157 91.186,111.76 91.186,109.728 91.313,109.601 96.012,109.601 ; 96.774,112.649 96.266,112.141 96.266,108.458 104.267,108.458 104.267,111.379 104.013,111.633 104.013,111.76
Top Paste:
  text "24V FAN T F E D C B A" at 133.604,96.901 h0.8 r45
Mechanical 7:
  lines w0.127: 83.636,96.299 cw(c85.927,98.236) 86.735,95.347 ; 121.79,112.965 ccw(c135.73,107.098) 127.683,94.293 ; 149.645,113.025 cw(c135.73,107.098) 150.354,103.239

## Text inside footprints (layer, text, board x,y; h text height)
BAT1: Top Overlay "+" at 107.346,97.649 h0.8 r300